# Altium PCB DIOT_template.PcbDoc (part 1 of 2)
Units mm, origin at the board's own origin, x right, y up, seen from the top; angles counter-clockwise.
Board outline 222.37 x 100 mm, 6 copper layers (TopLayer, MidLayer1, MidLayer2, SignalLayer1, Internal Plane 1, BottomLayer), stack 1.528 mm thick; 144 components, 137 nets, 593 pads, 0 vias.
Unrouted connection lines stored in the file: 220.
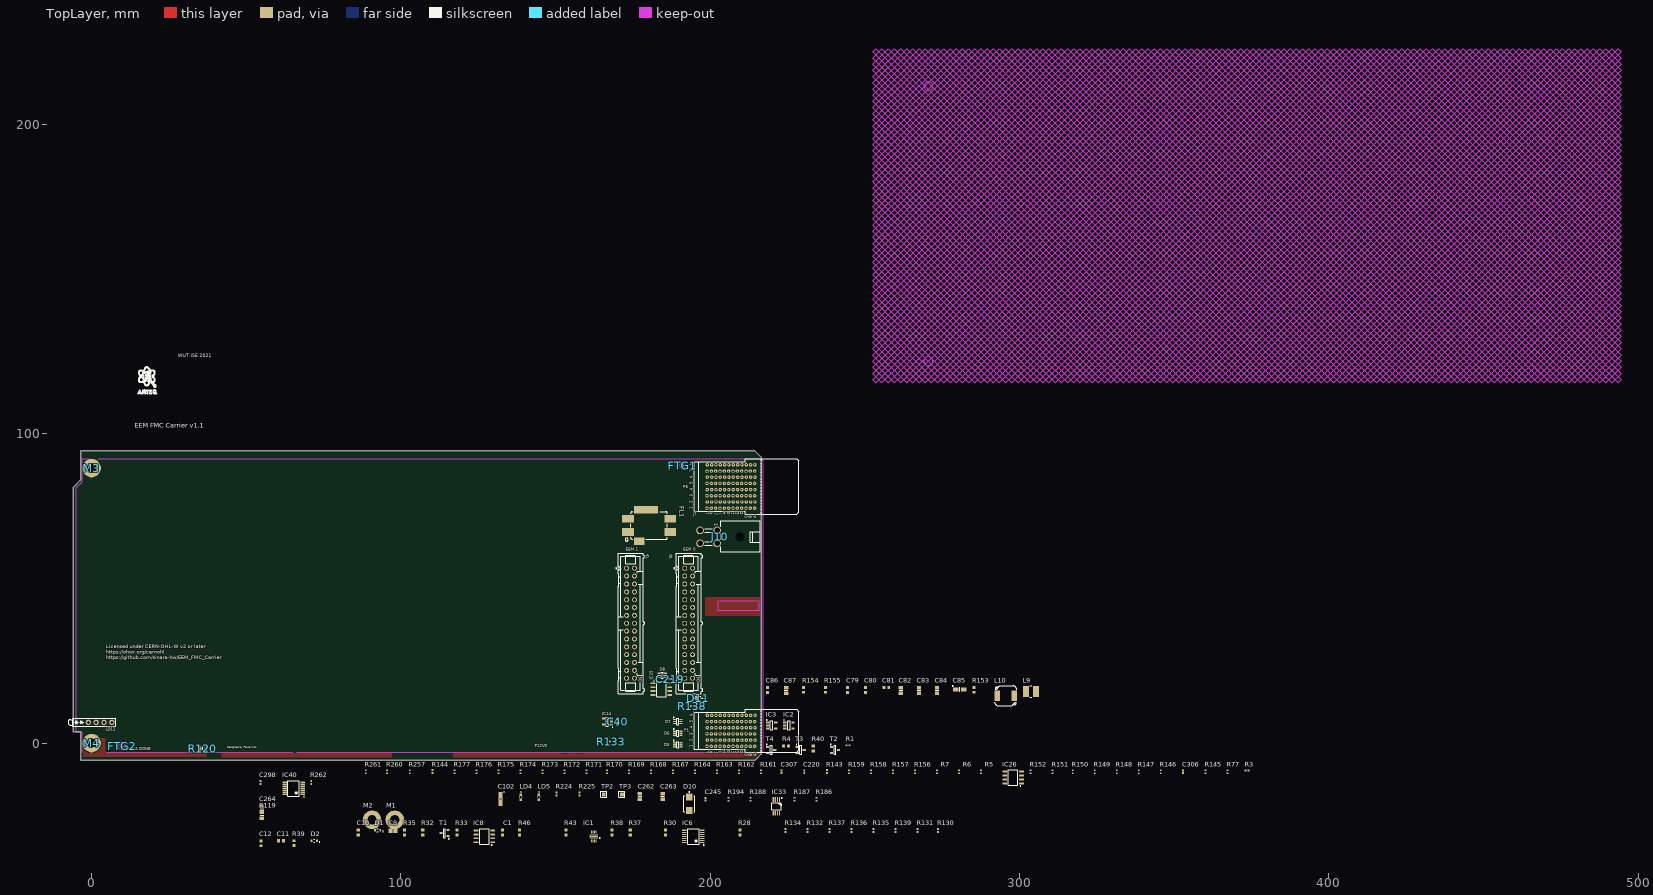
[diagram p0: TopLayer view]
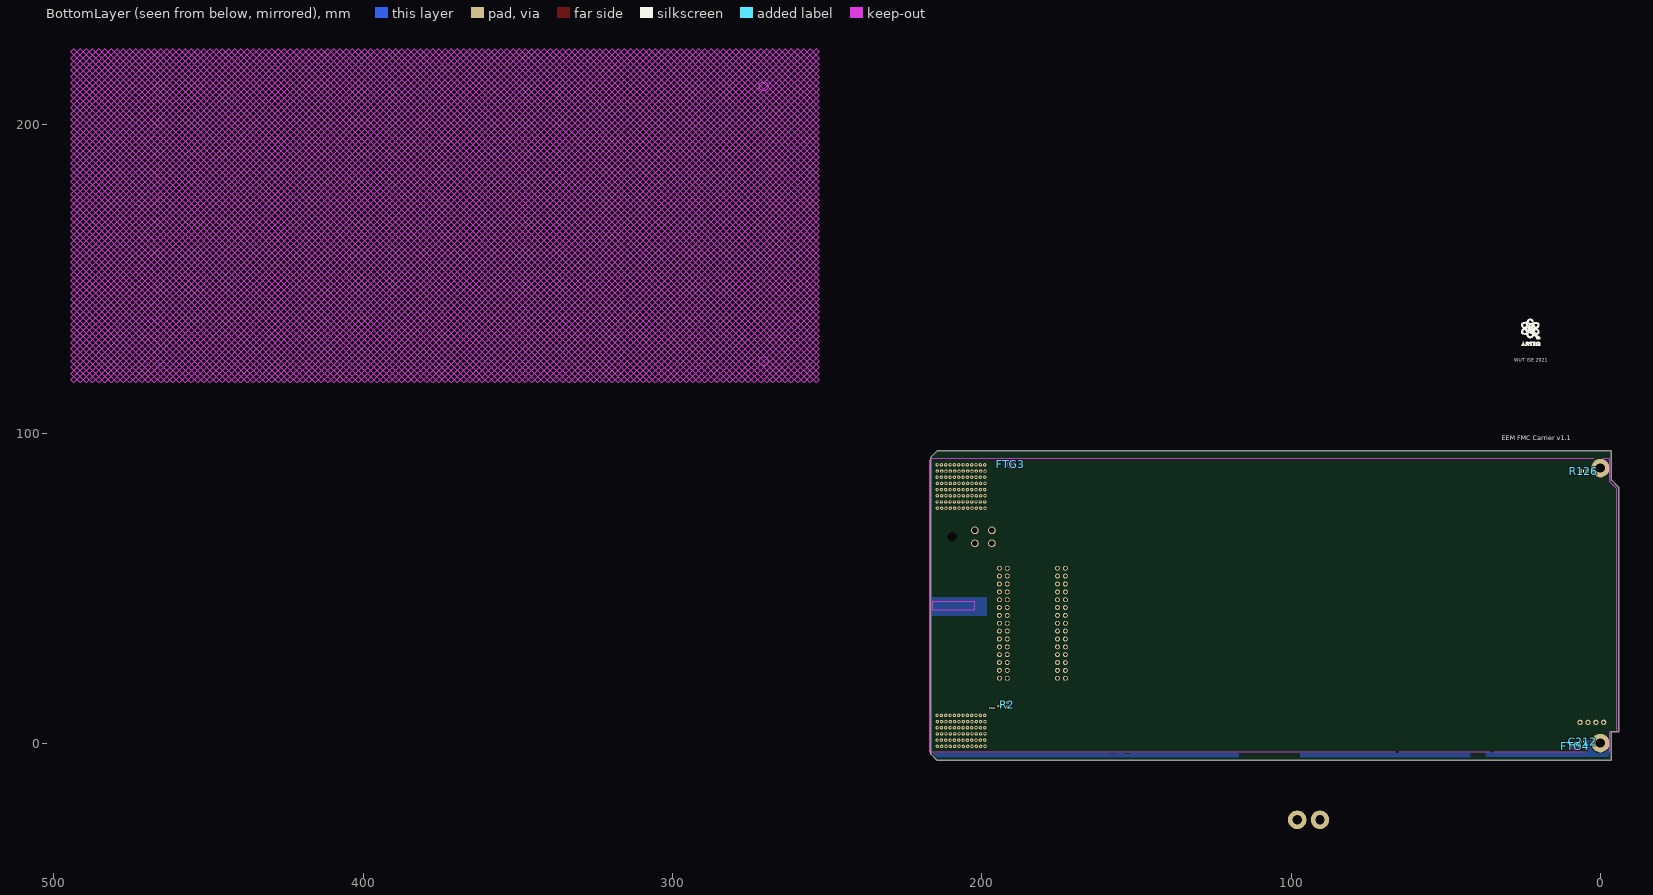
[diagram p1: BottomLayer view, seen from below]
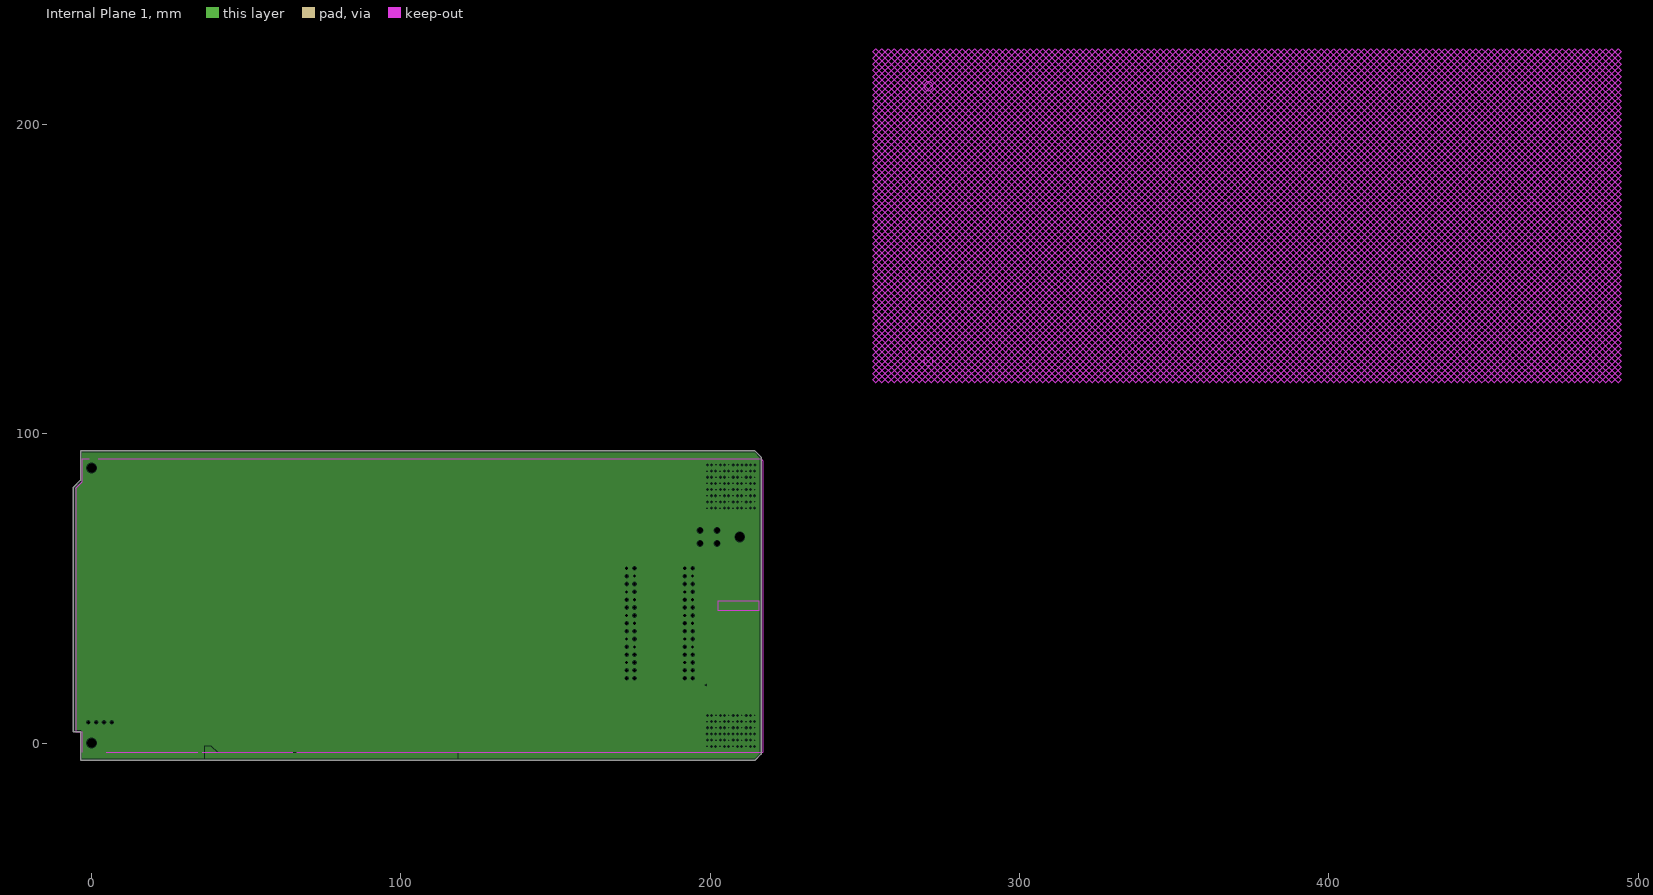
[diagram p2: Internal Plane 1, clearances drawn from the general rule]

## Layer stack, top to bottom
TopSolder: solder mask 0.022, Solder Resist, Dk 3.5
TopLayer: signal copper 0.053
Dielectric1: core 0.11, FR-4, Dk 4.2
MidLayer1: signal copper 0.018
Dielectric2: prepreg 0.2, FR-4, Dk 4.2
MidLayer2: signal copper 0.018
Dielectric3: core 0.73, FR-4, Dk 4.2
SignalLayer1: signal copper 0.018
Dielectric4: prepreg 0.2, FR-4, Dk 4.2
Internal Plane 1: plane copper 0.018, net (Multiple Nets)
Dielectric5: core 0.11, FR-4, Dk 4.2
BottomLayer: signal copper 0.053
BottomSolder: solder mask 0.022, Solder Resist, Dk 3.5

## Board outline
-5.9,3.65 -5.9,82.695 -3.57,85.025 -3.57,94.349 -3.469,94.45 214.469,94.45 216.469,92.45 216.469,-3.55 214.469,-5.55 -3.57,-5.55 -3.57,3.65

## Design rules (kind name [scope] priority, off if disabled: settings)
AcuteAngle [All] p1: minimum=4.50000000000000E+0001 checktracksonly=FALSE
AssemblyTestPointUsage [All] p1 off:
AssemblyTestpoint [All] p1 off: testpointundercomponent=TRUE minsize=1.016 maxsize=2.54 preferedsize=1.524 minholesize=0 maxholesize=1.016 preferedholesize=0.813 testpointgrid=0.025 usegrid=TRUE gridtolerance=0 allowsidetop=TRUE allowsidebottom=TRUE
BoardOutlineClearance BoardOutlineClearance_1 [OnLayer('BottomOverlay', 'TopOverlay')] p1: gap=0 ignorepadtopadclearanceinfootprint=FALSE
BoardOutlineClearance [All] p2: gap=0.4 ignorepadtopadclearanceinfootprint=FALSE
Clearance [InPolygonClass('Copper_Balancing') vs InAnyNet] p1: gap=2 ignorepadtopadclearanceinfootprint=FALSE
Clearance Clearance_front [InComponent('LD15', 'LD18', 'LD2', 'J3'); vs OnLayer('Keep-Out Layer')] p2: gap=0 ignorepadtopadclearanceinfootprint=FALSE
Clearance Clearance_FPGA_outer [IsVia and WithinRoom('U_FPGA_FMC') vs IsCopperRegion] p3: gap=0.254 ignorepadtopadclearanceinfootprint=FALSE except(0: Arc-Hole Track-Hole SMDPad-Hole THPad-Hole Via-Hole Fill-Hole Poly-Hole Region-Hole Text-Hole Hole-Hole; 0.125: Via-Fill Via-Poly Via-Region; 0.2: Arc-Region Track-Region SMDPad-Region THPad-Region Fill-Region Poly-Region Region-Region)
Clearance Clearance_mounting_hole_top_bottom [InPadClass('MH') vs OnTop or OnBottom] p4: gap=1 ignorepadtopadclearanceinfootprint=FALSE except(0: Hole-Hole)
Clearance Clearance_mounting_holes [InPadClass('MH') vs OnCopper] p5: gap=0.5 ignorepadtopadclearanceinfootprint=FALSE except(0: Hole-Hole)
Clearance Clearance_mgt_via [(Net like ('*MGT*' )) and IsVia vs (Net like ('*MGT*' )) and IsVia] p6: gap=0.08 ignorepadtopadclearanceinfootprint=FALSE except(0: Hole-Hole; 0.4: Via-Via)
Clearance Clearance_diff_via [IsVia vs IsVia] p7: gap=0.254 ignorepadtopadclearanceinfootprint=FALSE except(0: Arc-Hole Track-Hole SMDPad-Hole THPad-Hole Via-Hole Fill-Hole Poly-Hole Region-Hole Text-Hole Hole-Hole; 0.2: Via-Via; 0.245: THPad-Fill THPad-Poly THPad-Region)
Clearance Clearance_DDR [InNetClass('50Ohm') and not (TouchesRoom('U_FPGA_FMC') or TouchesRoom('U_FPGA_SDRAM'))] p8: gap=0.254 ignorepadtopadclearanceinfootprint=TRUE except(0: Arc-Hole Track-Hole SMDPad-Hole THPad-Hole Via-Hole Fill-Hole Poly-Hole Region-Hole Text-Hole Hole-Hole; 0.54: Arc-Arc Arc-Track Track-Track)
Clearance Clearance_diff [InDifferentialPairClass('All Differential Pairs') and not TouchesRoom('U_FPGA_FMC')] p9: gap=0.54 ignorepadtopadclearanceinfootprint=FALSE except(0: Arc-Hole Track-Hole SMDPad-Hole THPad-Hole Via-Hole Fill-Hole Poly-Hole Region-Hole Text-Hole; 0.076: Arc-Via Track-Via SMDPad-Via; 0.1: Arc-Arc Arc-Track Arc-SMDPad Track-Track Track-SMDPad; 0.125: Track-Region SMDPad-Region; 0.127: THPad-Fill THPad-Poly THPad-Region; 0.15: Arc-Region Via-Fill Via-Poly Via-Region Region-Region; 0.2: Arc-THPad Track-THPad SMDPad-SMDPad THPad-Via Via-Via)
Clearance Clearance_outer [OnLayer('TopLayer') or OnLayer('BottomLayer')] p10: gap=0.089 ignorepadtopadclearanceinfootprint=TRUE except(0: Arc-Hole Track-Hole SMDPad-Hole THPad-Hole Via-Hole Fill-Hole Region-Hole Text-Hole; 0.1: Arc-Fill Arc-Region Track-Fill Track-Region Fill-Fill Fill-Region Poly-Region Region-Region; 0.127: Arc-Poly Track-Poly SMDPad-Poly THPad-Poly Fill-Poly Poly-Poly; 0.15: Via-Fill Via-Poly Via-Region Poly-Hole; 0.2: Arc-THPad Track-THPad SMDPad-THPad THPad-THPad THPad-Via; 0.254: Arc-Text Track-Text SMDPad-Text THPad-Text Via-Text Fill-Text Poly-Text Region-Text Text-Text; 0.275: Via-Via)
Clearance Clearance_inner [(OnLayer('MidLayer1') OR OnLayer('MidLayer2') OR OnLayer('SignalLayer1'))] p11: gap=0.254 ignorepadtopadclearanceinfootprint=FALSE except(0: Arc-Hole Track-Hole SMDPad-Hole THPad-Hole Via-Hole Fill-Hole Poly-Hole Region-Hole Text-Hole; 0.076: Arc-Arc Arc-Track Arc-SMDPad Arc-Via Track-Track Track-SMDPad Track-Via SMDPad-SMDPad SMDPad-Via SMDPad-Fill SMDPad-Region THPad-Fill THPad-Region; 0.1: Arc-Region Track-Region; 0.127: Arc-Poly Track-Poly SMDPad-Poly THPad-Poly Fill-Poly; 0.15: Via-Fill Via-Poly Via-Region Region-Region; 0.152: Poly-Poly Poly-Region; 0.2: THPad-Via; 0.25: Arc-THPad Arc-Fill Track-THPad Track-Fill SMDPad-THPad THPad-THPad Via-Via Fill-Fill Fill-Region)
ComponentClearance ComponentClearance_6 [InComponent('J3')  OR InComponent('WASHER2') vs (InComponent('WASHER1') OR InComponent('WASHER2'))  OR Identifier = '7579'] p1: gap=0 collisioncheckmode=3 verticalgap=0 showdistances=FALSE
ComponentClearance ComponentClearance_5 [InComponent('J5') vs InComponent('B8','B9')] p2: gap=0 collisioncheckmode=3 verticalgap=0 showdistances=FALSE
ComponentClearance ComponentClearance_4 [InComponent('HS1') vs InComponent('IC4')] p3: gap=0 collisioncheckmode=3 verticalgap=0 showdistances=FALSE
ComponentClearance ComponentClearance_3 [Identifier = '2';] p4: gap=0 collisioncheckmode=3 verticalgap=0 showdistances=FALSE
ComponentClearance ComponentClearance_2 [Identifier = 'INL23001-10-1.7Y T725 - 05-Sep-2019';] p5: gap=0 collisioncheckmode=3 verticalgap=0 showdistances=FALSE
ComponentClearance ComponentClearance_1 [Identifier = '30848356-EEMFMC-A01.v1';] p6: gap=0 collisioncheckmode=3 verticalgap=0 showdistances=FALSE
ComponentClearance ComponentClearance_exception2 [InComponent('C1', 'C2','C9','C11','C29','C30','C17','C14','R2','R4','C217','C218','C210','C211','R263') vs InComponent('R6', 'R8', 'C5','C7','B1','C13','R21','R20','C19','C20', 'C12','C215','C216','C213','C214','R19')] p7: gap=0 collisioncheckmode=3 verticalgap=0 showdistances=FALSE
ComponentClearance ComponentClearance_exception1 [InComponent('TR1', 'TR2') vs InComponent('R1', 'R14' ,'R18' , 'R17')] p8: gap=0 collisioncheckmode=3 verticalgap=0 showdistances=FALSE
ComponentClearance ComponentClearance_exceptions [InComponent('J10') vs InComponent('J11')] p9: gap=0 collisioncheckmode=3 verticalgap=0 showdistances=FALSE
ComponentClearance [All] p10: gap=0.254 collisioncheckmode=3 verticalgap=0.254 showdistances=FALSE
DiffPairsRouting [InDifferentialPairClass('MGT')] p1: maxlimit=0.254 minlimit=0.127 mostfreqgap=0.127 toplayer_maxgap=0.127 toplayer_minwidth=0.085 toplayer_maxwidth=0.085 toplayer_prefwidth=0.085 midlayer2_maxgap=0.127 midlayer2_minwidth=0.114 midlayer2_maxwidth=0.114 midlayer2_prefwidth=0.114 midlayer7_maxgap=0.127 midlayer7_minwidth=0.114 midlayer7_maxwidth=0.114 midlayer7_prefwidth=0.114 bottomlayer_maxgap=0.127 bottomlayer_minwidth=0.085 bottomlayer_maxwidth=0.085 bottomlayer_prefwidth=0.085 impedanceprofiledriven=TRUE impedanceprofileid={FB752EDA-940F-4D5F-A599-D27A4E1750A0} impedanceprofilevalue=100.000000 maxuncoupledlength=12.7
DiffPairsRouting DiffPairsRouting_lvpecl [InDifferentialPairClass('LVPECL')] p2: maxlimit=0.25 minlimit=0.127 mostfreqgap=0.233 toplayer_mingap=0.163 toplayer_maxgap=0.163 toplayer_prefgap=0.163 toplayer_minwidth=0.106 toplayer_maxwidth=0.106 toplayer_prefwidth=0.106 midlayer2_mingap=0.232 midlayer2_maxgap=0.232 midlayer2_prefgap=0.232 midlayer2_minwidth=0.177 midlayer2_maxwidth=0.177 midlayer2_prefwidth=0.177 midlayer7_mingap=0.233 midlayer7_maxgap=0.233 midlayer7_minwidth=0.177 midlayer7_maxwidth=0.177 midlayer7_prefwidth=0.177 bottomlayer_maxgap=0.127 bottomlayer_prefgap=0.127 bottomlayer_minwidth=0.106 bottomlayer_maxwidth=0.106 bottomlayer_prefwidth=0.106 impedanceprofiledriven=TRUE impedanceprofileid={F7C7CEB7-EAD5-4268-B863-B9A45AF52FBC} impedanceprofilevalue=100.000000 maxuncoupledlength=3
DiffPairsRouting DiffPairsRouting_100_Ohm [InDifferentialPairClass('Diff_100Ohm')] p3: maxlimit=0.25 minlimit=0.127 mostfreqgap=0.127 toplayer_maxgap=0.127 toplayer_minwidth=0.085 toplayer_maxwidth=0.085 toplayer_prefwidth=0.085 midlayer2_maxgap=0.127 midlayer2_minwidth=0.114 midlayer2_maxwidth=0.114 midlayer2_prefwidth=0.114 midlayer7_maxgap=0.127 midlayer7_minwidth=0.114 midlayer7_maxwidth=0.114 midlayer7_prefwidth=0.114 bottomlayer_maxgap=0.127 bottomlayer_minwidth=0.085 bottomlayer_maxwidth=0.085 bottomlayer_prefwidth=0.085 impedanceprofiledriven=TRUE impedanceprofileid={FB752EDA-940F-4D5F-A599-D27A4E1750A0} impedanceprofilevalue=100.000000 maxuncoupledlength=11.1
FabricationTestPointUsage TestPointUsage [All] p1: valid=0 allowmultiple=FALSE
FabricationTestpoint Testpoint [All] p1: side=3 testpointundercomponent=TRUE minsize=1.016 maxsize=2.54 preferedsize=1.524 minholesize=0.508 maxholesize=1.016 preferedholesize=0.813 testpointgrid=0.025 allowsidetop=TRUE allowsidebottom=TRUE usegrid=TRUE gridtolerance=0
Height Height_1 [OnLayer('BottomLayer')] p1: minheight=0 maxheight=2 prefheight=1
Height [All] p2: minheight=0 maxheight=25.4 prefheight=12.7
HoleSize [All] p1: absolutevalues=TRUE maxlimit=3.2 minlimit=0.15 maxpercent=80.000 minpercent=20.000
HoleToHoleClearance [All] p1: gap=0.15 allowstackedmicrovias=TRUE
MatchedLengths MatchedLengths_7 [InxSignalClass('xSignals_CPCIS')] p1: tolerance=25.4 checknetsindiffpair=TRUE checkdiffpairvsdiffpair=FALSE checkxsignals=FALSE checkothers=FALSE usedelayunits=TRUE delaytolerance=5.000000
MatchedLengths MatchedLengths_6 [InxSignalClass('xSignals_CPCIS')] p2: tolerance=25.4 checknetsindiffpair=FALSE checkdiffpairvsdiffpair=TRUE checkxsignals=TRUE checkothers=TRUE usedelayunits=TRUE delaytolerance=10.000000
MatchedLengths MatchedLengths_11 [InxSignalClass('xSignals_EEM1')] p3: tolerance=25.4 checknetsindiffpair=TRUE checkdiffpairvsdiffpair=FALSE checkxsignals=FALSE checkothers=FALSE usedelayunits=TRUE delaytolerance=1.000000
MatchedLengths MatchedLengths_10 [InxSignalClass('xSignals_EEM1')] p4: tolerance=25.4 checknetsindiffpair=FALSE checkdiffpairvsdiffpair=TRUE checkxsignals=TRUE checkothers=TRUE usedelayunits=TRUE delaytolerance=10.000000
MatchedLengths MatchedLengths_9 [InxSignalClass('xSignals_EEM0')] p5: tolerance=25.4 checknetsindiffpair=TRUE checkdiffpairvsdiffpair=FALSE checkxsignals=FALSE checkothers=FALSE usedelayunits=TRUE delaytolerance=1.000000
MatchedLengths MatchedLengths_8 [InxSignalClass('xSignals_EEM0')] p6: tolerance=25.4 checknetsindiffpair=FALSE checkdiffpairvsdiffpair=TRUE checkxsignals=TRUE checkothers=TRUE usedelayunits=TRUE delaytolerance=10.000000
MatchedLengths MatchedLengths_DATA_BL1 [InxSignalClass('DATA_BL1')] p7: tolerance=1 checknetsindiffpair=FALSE checkdiffpairvsdiffpair=TRUE checkxsignals=TRUE checkothers=TRUE usedelayunits=TRUE delaytolerance=10.000000
MatchedLengths MatchedLengths_1 [InxSignalClass('DATA_BL1')] p8: tolerance=1 checknetsindiffpair=TRUE checkdiffpairvsdiffpair=FALSE checkxsignals=FALSE checkothers=FALSE usedelayunits=TRUE delaytolerance=1.000000
MatchedLengths MatchedLengths_DATA_BL0 [InxSignalClass('DATA_BL0')] p9: tolerance=1.3 checknetsindiffpair=FALSE checkdiffpairvsdiffpair=TRUE checkxsignals=TRUE checkothers=TRUE usedelayunits=TRUE delaytolerance=10.000000
MatchedLengths MatchedLengths_DATA_BL0_1 [InxSignalClass('DATA_BL0')] p10: tolerance=1 checknetsindiffpair=TRUE checkdiffpairvsdiffpair=FALSE checkxsignals=FALSE checkothers=FALSE usedelayunits=TRUE delaytolerance=1.000000
MatchedLengths MatchedLengths_ADDR_PP1 [InxSignalClass('ADDR_PP1')] p11: tolerance=2 checknetsindiffpair=FALSE checkdiffpairvsdiffpair=TRUE checkxsignals=TRUE checkothers=TRUE usedelayunits=TRUE delaytolerance=25.000000
MatchedLengths MatchedLengths_ADDR_PP1_1 [InxSignalClass('ADDR_PP1')] p12: tolerance=1 checknetsindiffpair=TRUE checkdiffpairvsdiffpair=FALSE checkxsignals=FALSE checkothers=FALSE usedelayunits=TRUE delaytolerance=1.000000
MatchedLengths MatchedLengths_2 [InDifferentialPairClass('MGT')] p13: tolerance=25.4 checknetsindiffpair=TRUE checkdiffpairvsdiffpair=FALSE checkxsignals=FALSE checkothers=FALSE usedelayunits=TRUE delaytolerance=1.000000
MatchedLengths MatchedLengths_5 [InxSignalClass('FMC_LAx')] p14: tolerance=25.4 checknetsindiffpair=FALSE checkdiffpairvsdiffpair=TRUE checkxsignals=TRUE checkothers=TRUE usedelayunits=TRUE delaytolerance=80.000000
MatchedLengths MatchedLengths_4 [InxSignalClass('FMC_HBx')] p15: tolerance=25.4 checknetsindiffpair=FALSE checkdiffpairvsdiffpair=TRUE checkxsignals=TRUE checkothers=TRUE usedelayunits=TRUE delaytolerance=80.000000
MatchedLengths MatchedLengths_3 [InxSignalClass('FMC_HAx')] p16: tolerance=25.4 checknetsindiffpair=FALSE checkdiffpairvsdiffpair=TRUE checkxsignals=TRUE checkothers=TRUE usedelayunits=TRUE delaytolerance=80.000000
MatchedLengths [InDifferentialPairClass('All Differential Pairs')] p17: tolerance=5 checknetsindiffpair=TRUE checkdiffpairvsdiffpair=FALSE checkxsignals=FALSE checkothers=FALSE usedelayunits=TRUE delaytolerance=10.000000
MatchedLengths "Schematic Matched Net Lengths_3" [InNetClass('FMC_DP')] p18: tolerance=0.15 checknetsindiffpair=TRUE checkdiffpairvsdiffpair=FALSE checkxsignals=FALSE checkothers=FALSE usedelayunits=TRUE delaytolerance=1.000000
MatchedLengths "Schematic Matched Net Lengths_2" [InNetClass('FMC_DP')] p19: tolerance=0.15 checknetsindiffpair=TRUE checkdiffpairvsdiffpair=FALSE checkxsignals=FALSE checkothers=FALSE usedelayunits=TRUE delaytolerance=1.000000
MatchedLengths "Schematic Matched Net Lengths_1" [InNetClass('FMC_DP')] p20: tolerance=0.15 checknetsindiffpair=TRUE checkdiffpairvsdiffpair=FALSE checkxsignals=FALSE checkothers=FALSE usedelayunits=TRUE delaytolerance=1.000000
MatchedLengths "Schematic Matched Net Lengths" [InNetClass('FMC_DP')] p21: tolerance=0.15 checknetsindiffpair=TRUE checkdiffpairvsdiffpair=FALSE checkxsignals=FALSE checkothers=FALSE usedelayunits=TRUE delaytolerance=1.000000
MatchedLengths "Schematic Matched Net Lengths_6" [InNetClass('FMC_DP_CLK')] p22: tolerance=0.15 checknetsindiffpair=TRUE checkdiffpairvsdiffpair=FALSE checkxsignals=FALSE checkothers=FALSE usedelayunits=TRUE delaytolerance=11.000000
MatchedLengths "Schematic Matched Net Lengths_5" [InNetClass('FMC_DP_CLK')] p23: tolerance=0.15 checknetsindiffpair=TRUE checkdiffpairvsdiffpair=FALSE checkxsignals=FALSE checkothers=FALSE usedelayunits=TRUE delaytolerance=11.000000
MatchedLengths "Schematic Matched Net Lengths_10" [InNetClass('FMC_CLK')] p24: tolerance=0.15 checknetsindiffpair=TRUE checkdiffpairvsdiffpair=FALSE checkxsignals=FALSE checkothers=FALSE usedelayunits=TRUE delaytolerance=11.000000
MatchedLengths "Schematic Matched Net Lengths_9" [InNetClass('FMC_CLK')] p25: tolerance=0.15 checknetsindiffpair=TRUE checkdiffpairvsdiffpair=FALSE checkxsignals=FALSE checkothers=FALSE usedelayunits=TRUE delaytolerance=11.000000
MatchedLengths "Schematic Matched Net Lengths_8" [InNetClass('FMC_CLK')] p26: tolerance=0.15 checknetsindiffpair=TRUE checkdiffpairvsdiffpair=FALSE checkxsignals=FALSE checkothers=FALSE usedelayunits=TRUE delaytolerance=11.000000
MatchedLengths "Schematic Matched Net Lengths_7" [InNetClass('FMC_CLK')] p27: tolerance=0.15 checknetsindiffpair=TRUE checkdiffpairvsdiffpair=FALSE checkxsignals=FALSE checkothers=FALSE usedelayunits=TRUE delaytolerance=11.000000
MatchedLengths MatchedLengths_EEM0 [InNetClass('EEM0')] p28: tolerance=10 checknetsindiffpair=FALSE checkdiffpairvsdiffpair=TRUE checkxsignals=TRUE checkothers=TRUE
MatchedLengths MatchedLengths_EEM1 [InNetClass('EEM1')] p29: tolerance=10 checknetsindiffpair=FALSE checkdiffpairvsdiffpair=TRUE checkxsignals=TRUE checkothers=TRUE
MinimumSolderMaskSliver MinimumSolderMaskSliver_IC13 [InComponent('IC13')] p1: minsoldermaskwidth=0.051
MinimumSolderMaskSliver [All] p2: minsoldermaskwidth=0.1
ParallelSegment [All] p1 off: limit=5 gap=0.254
PlaneClearance [All] p1: clearance=0.254
PlaneConnect PlaneConnect_1 [HasCompParameterValue('PressFit', 'Yes')] p1: planeconnectstyle=Direct reliefexpansion=0.2 reliefentries=4 reliefconductorwidth=0.254 reliefairgap=0.254
PlaneConnect [All] p2: pad.planeconnectstyle=Relief pad.reliefexpansion=0.2 pad.reliefentries=4 pad.reliefconductorwidth=0.254 pad.reliefairgap=0.254 via.planeconnectstyle=Direct via.reliefexpansion=0.2 via.reliefentries=4 via.reliefconductorwidth=0.254 via.reliefairgap=0.15
PolygonConnect PolygonConnect_1 [InPolygonClass('Direct')] p1: connectstyle=Direct reliefconductorwidth=0.254 reliefentries=2 polygonreliefangle="45 Angle" airgapwidth=0.254
PolygonConnect PolygonConnect_2 [InNetClass('PWR')] p2: thpad.connectstyle=Relief thpad.reliefconductorwidth=0.5 thpad.reliefentries=4 thpad.polygonreliefangle="90 Angle" thpad.airgapwidth=0.254 smdpad.connectstyle=Relief smdpad.reliefconductorwidth=0.5 smdpad.reliefentries=4 smdpad.polygonreliefangle="90 Angle" smdpad.airgapwidth=0.25 via.connectstyle=Direct via.reliefconductorwidth=0.254 via.reliefentries=2 via.polygonreliefangle="90 Angle" via.airgapwidth=0.254
PolygonConnect [All] p3: thpad.connectstyle=Relief thpad.reliefconductorwidth=0.254 thpad.reliefentries=4 thpad.polygonreliefangle="90 Angle" thpad.airgapwidth=0.254 smdpad.connectstyle=Relief smdpad.reliefconductorwidth=0.254 smdpad.reliefentries=4 smdpad.polygonreliefangle="90 Angle" smdpad.airgapwidth=0.254 via.connectstyle=Direct via.reliefconductorwidth=0.254 via.reliefentries=4 via.polygonreliefangle="90 Angle" via.airgapwidth=0.254
ReturnPath [All] p1: impedanceprofileid={766963E9-4C46-4FD0-92C7-72FE31CC1419} _gaplimit=0 _useantipads=TRUE
ReturnPath ReturnPath_1 [All] p2: impedanceprofileid={FB752EDA-940F-4D5F-A599-D27A4E1750A0} _gaplimit=0 _useantipads=TRUE
ReturnPath ReturnPath_2 [All] p3: impedanceprofileid={F7C7CEB7-EAD5-4268-B863-B9A45AF52FBC} _gaplimit=0
RoomDefinition U_PWR_Supply [InComponentClass('U_PWR_Supply')] p1: confinementstyle=ConfineIn formatcopy=TRUE lockcomponents=FALSE outline 62.573,-3.075 128.023,-3.075 128.023,18.225 62.573,18.225
RoomDefinition CPCIS_Connectors_P1_P6 [InComponentClass('CPCIS_Connectors_P1_P6')] p2: confinementstyle=ConfineIn formatcopy=TRUE lockcomponents=FALSE outline 161.148,-4.675 229.823,-4.675 229.823,94.55 161.148,94.55
RoutingLayers RoutingLayers_1 [InAnyDifferentialPair] p1: top layer_v5=TRUE mid layer 1_v5=FALSE mid layer 2_v5=TRUE mid layer 7_v5=TRUE bottom layer_v5=TRUE
RoutingLayers RoutingLayers_2 [InNetClass('50Ohm')] p2: top layer_v5=TRUE mid layer 1_v5=FALSE mid layer 2_v5=TRUE mid layer 7_v5=TRUE bottom layer_v5=TRUE
RoutingLayers [All] p3: top layer_v5=TRUE mid layer 1_v5=TRUE mid layer 2_v5=TRUE mid layer 7_v5=TRUE bottom layer_v5=TRUE
RoutingTopology RoutingTopology_DDRAddressAndControls [InNetClass('DDR_AddressAndControls')] p1: topology=Daisy_Simple